# KiCad board PingDevKit-copy.kicad_pcb (continued)
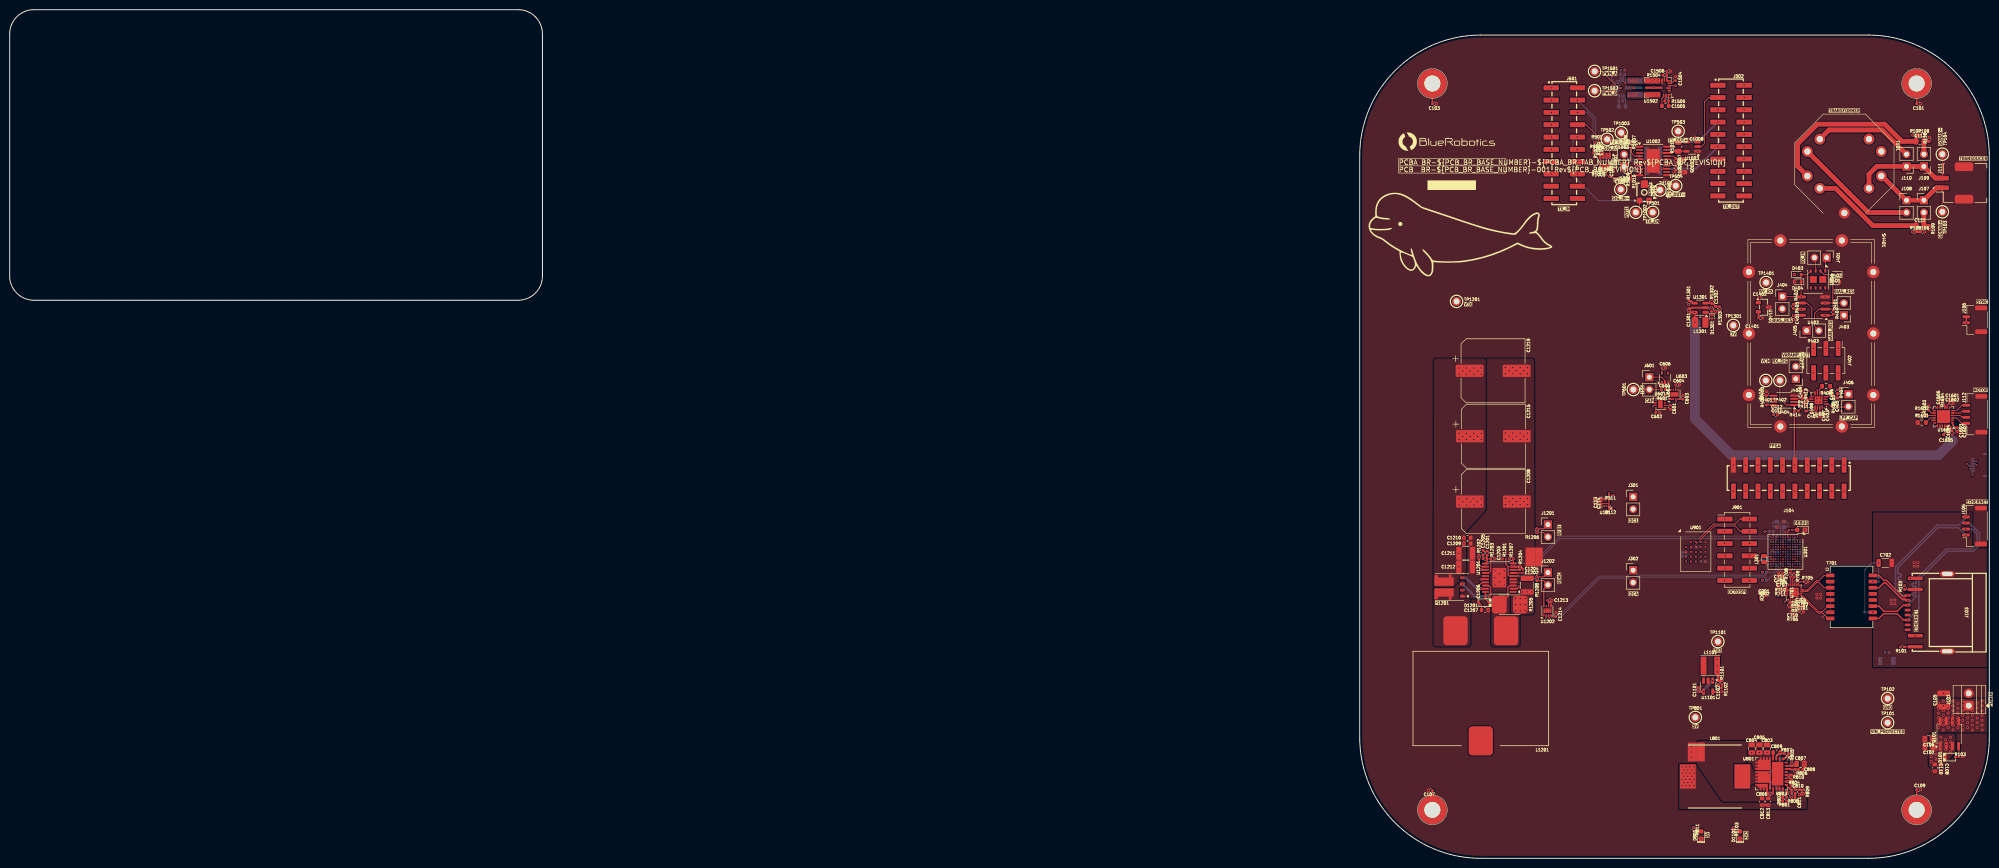
[diagram p0: board, top side]
## Routing (per net, layer and track width the routed paths; a pad name or vN(x,y) marks a point on that pad's centre or on a via; arc(x,y) is an arc through that point) (continued)
/VTHERM: length 86.5
  signal2.Cu w0.1: v3(365.15,63.79) 364.8,63.79 364.4,64.2 364.4,66.45 363.6,67.25
  signal2.Cu w0.2: 363.6,67.25 357.85,73 357.85,76.73 349,85.58 349,129.98 342.28,136.7 v1(342.28,140)
  Bottom w0.2: R104.2 365.13,63.8 C104.1
/VTX_EN: length 61.1
  Top w0.2: U1201.6 310.47,58.3 v2(311.45,58.3)
  Top w0.25: R1201.1 308.91,60.71 309.39,60.23 309.39,58.55 309.66,58.28 U1201.6
  Bottom w0.2: v2(311.45,58.3) 312.45,58.3 320.15,66 363.15,66 363.36,65.79 v3(363.65,65.79)
/VTX_MODE: length 63.8
  Top w0.2: U1201.13 v2(303.75,59.58)
  Bottom w0.2: v3(363.65,66.29) TP318.1 363.45,66.5 320.08,66.5 314.58,61 305.15,61 303.75,59.6 v2(303.75,59.58)
CHASSISGND:
  vias: v2(388.49,53.32) v2(388.49,52.57) v2(389.24,53.32) v2(389.24,52.57) v2(393.24,61.07) v2(393.24,60.32) v2(393.99,61.07) v2(393.99,60.32)
RX_5V: length 6.3
  Top w0.2: v1(364.22,91.6) U404.8 R409.1 ; v2(368.28,112.07) 369.85,112.07 U402.8
  Top w0.3: C1402.1 361.08,114.78 U1401.1
  vias: v1(361.05,115.87) v2(368.48,120.54) v2(377.78,120.54)
VTX: length 27
  Top w0.2: J1201.1 316.75,68.03 v2(315.34,68.03) R1206.1
  PWR.Cu w1: 318.29,147.16 v2(318.29,146.4) v2(318.29,143.86) ; 356.75,145 356.75,152.5
  signal1.Cu w0.5: v2(303.84,72.97) 308.78,68.03 v2(315.34,68.03)
  signal3.Cu w0.2: 318.29,143.86 v2(318.29,143.86)
  vias: v1(334.35,157.99) v1(334.35,157.39) v1(334.75,157.69) v1(335.15,157.99) v1(335.15,157.39) v1(335.55,157.69) v1(335.95,157.99) v1(335.95,157.39) v1(338.85,157.99) v1(339.25,157.69) v1(339.65,157.99) v1(339.65,157.39) v1(340.05,157.69) v1(340.45,157.39) v2(299.27,101.26) v2(299.27,99.99) v2(299.27,87.76) v2(299.27,86.49) v2(299.27,74.24) v2(299.27,72.97) v2(299.23,62.98) v2(299.23,60.18) v2(300.03,100.63) v2(300.03,87.13) v2(300.03,73.61) v2(300.27,66.19) v2(300.27,64.99) v2(300.79,101.26) v2(300.79,99.99) v2(300.79,87.76) v2(300.79,86.49) v2(300.79,74.24) v2(300.79,72.97) v2(301.55,100.63) v2(301.55,87.13) v2(301.55,73.61) v2(302.31,101.26) v2(302.31,99.99) v2(302.31,87.76) v2(302.31,86.49) v2(302.31,74.24) v2(302.31,72.97) v2(303.08,100.63) v2(303.08,87.13) v2(303.08,73.61) v2(303.84,101.26) v2(303.84,99.99) v2(303.84,87.76) v2(303.84,86.49) v2(303.84,74.24) v2(358.13,144.4) v2(358.13,141.86) v2(392.84,149.36) v2(392.84,129.36)
Net-(C101-Pad1): length 4.2
  Top w0.3: C101.1 H101.1
Net-(C103-Pad1): length 4.2
  Top w0.3: C103.1 H102.1
Net-(C107-Pad1): length 4
  Top w0.3: C107.1 H103.1
Net-(C109-Pad1): length 4.2
  Top w0.3: C109.1 H104.1
Net-(C308-Pad1): length 9.2
  Top w0.2: L301.1 362.4,61.29 v3(363.65,61.29)
  signal2.Cu w0.1: v3(363.65,61.29) 363.9,61.55 364.95,61.55 366.2,62.8 367.25,62.8 368.25,63.8 369.1,63.8 369.65,64.35 v3(369.65,64.79)
Net-(C702-Pad1): length 15.3
  Bottom w0.2: R704.1 383.05,59.55 384.5,61 v2(385.9,61) 385.85,60.95 R703.1
Net-(C708-Pad1): length 7.5
  Bottom w0.2: C708.1 375.87,50.78 v1(375.89,50.8) 375.89,57.14 v1(375.9,57.15)
Net-(C810-Pad1): length 0.9
  Top w0.35: R808.1 368.65,13.32 C810.1
Net-(C1205-Pad1): length 0.8
  Top w0.25: C1205.1 R1203.2
Net-(D101-A): length 3
  Top w0.2: Q101.2 402.45,23.13 402.45,20.9 D101.2
Net-(D301-A): length 1.1
  Top w0.2: R303.2 D301.2
Net-(D801-A): length 1.5
  Top w0.3: R811.2 D801.2
Net-(D1101-A): length 1.4
  Top w0.3: R1103.2 D1101.2
Net-(D1201-K): length 2.6
  Top w0.25: D1201.1 304.69,53.54 C1206.2 304.69,54.99 U1201.20
Net-(J103-Pad10): length 2.2
  Top w0.2: J103.10 391.27,55.52 R102.1
Net-(J103-Pad12): length 2.2
  Top w0.2: J103.12 391.26,43.69
Net-(J107-Pin_2): length 3.8
  Top w0.55: R109.1 C111.2
  Top w1: J107.2 C111.2
Net-(J109-Pin_2): length 3.8
  Top w0.55: C112.2 R110.1
  Top w1: J109.2 C112.2
Net-(J405-Pin_1): length 9.5
  Top w0.2: R405.1 368.52,114.67 U402.6 371.05,114.67 372.1,113.62 R403.2 372.1,110.04 J405.1
Net-(J405-Pin_2): length 8.2
  Top w0.2: R404.1 376.32,113.4 U402.2 373.55,113.4 372.67,112.52 R403.1 372.67,109.86 J405.2
Net-(J406-Pin_1): length 4.1
  Top w0.2: 377.35,95.92 377.35,95.12 377.4,95.07 376.55,95.07 C406.1 ; R407.2 379.52,95.97 J406.1
Net-(J406-Pin_2): length 4.2
  Top w0.2: R406.2 379.51,93.17 J406.2 ; 377.35,93.22 377.35,94.06 377.4,94.11 376.59,94.11 C405.1
Net-(J407-Pin_1): length 7.8
  Top w0.2: U403.11 371.15,94.32 v1(371,94.17) 371,93.42 C408.1
  signal2.Cu w0.2: J407.1 368.8,96.37 v1(371,94.17)
Net-(J407-Pin_2): length 9.4
  Top w0.2: U403.10 371.15,94.82 v1(371,94.97) 371,95.67 C409.1
  signal2.Cu w0.2: J407.2 371,99.34 v1(371,94.97)
Net-(J601-Pin_1): length 6.6
  Top w0.2: J601.1 341.05,99.36 341.8,98.61 U603.2 341.85,98.24 C605.2 341.9,96.74 U602.8
Net-(J1001-Pin_1): length 6.5
  Bottom w0.2: J1001.1 334.43,143.9 336.33,143.9 R1011.2 v1(336.51,142.39) 338,142.39 R1014.1
Net-(J1001-Pin_2): length 6.3
  Bottom w0.2: J1001.2 334.37,144.35 336.35,144.35 R1011.1 v1(336.51,145.64) 337.96,145.64 R1013.2
Net-(J1202-Pin_2): length 7.4
  Top w0.2: R1208.2 316.75,57.33 J1202.2
  Top w0.25: J1202.2 316.76,55.6 U1202.8
Net-(R703-Pad2): length 1.1
  Bottom w0.2: v2(384.72,57.15) R703.2
Net-(R704-Pad2): length 0.8
  Bottom w0.2: v2(384.7,50.8) R704.2
Net-(R1012-Pad1): length 2.8
  Top w0.2: R1012.1 336.51,134.16 TP1002.1
Net-(R1012-W): length 9.9
  Top w0.2: U1002.5 337.31,144.34 337.71,143.94 337.71,139.38 R1012.2 337.83,138.89 339.86,138.89 TP1001.1
Net-(U301-BOOT0): length 1.1
  Bottom w0.2: R302.1 368.12,64.29 C306.2 v3(369.15,64.29)
Net-(U301-VLXSMPS): length 1.5
  Top w0.2: v3(363.65,62.29) 362.4,62.29 L301.2
Net-(U403-FBKM): length 2.1
  Top w0.2: C409.2 371.29,96.73 372.06,95.96 U403.9
Net-(U403-FBKP): length 2.2
  Top w0.2: C408.2 371.29,92.36 372.06,93.14 U403.12
Net-(U403-INMR): length 1.8
  Top w0.2: U403.4 375.5,95.32 376.1,95.92 C406.2
Net-(U403-INPR): length 1.8
  Top w0.2: U403.1 375.5,93.82 376.1,93.22 C405.2
Net-(U403-OFSN): length 1.2
  Top w0.2: U403.14 373.25,92.65 373,92.4 373,92.02
Net-(U404A-+): length 2.6
  Top w0.2: U404.3 370.12,94.9 R412.2 370.2,95.57 R413.2
Net-(U404A--): length 4
  Top w0.2: 368.45,94.22 368.47,94.25 370.12,94.25 R411.2 370.2,93.28 R414.1
Net-(U404B-+): length 3.3
  Top w0.2: R409.2 R410.1 ; R410.1 U404.5 ; R410.1 C410.1
Net-(U601-CAP): length 1
  Top w0.2: C602.2 U601.4
Net-(U601-OUT): length 1.3
  Top w0.2: U601.8 341.79,95.73 R601.1
Net-(U602-CAP): length 1
  Top w0.2: C603.2 344.55,94.79 U602.4
Net-(U701-RBIAS): length 1.8
  Top w0.2: R705.1 369.62,57.11 369.25,56.74 U701.14
Net-(U801-BST): length 1.3
  Top w0.35: U801.4 364.12,21.82 C809.1
Net-(U801-EN): length 2.6
  Top w0.35: R802.1 366.07,14.43 U801.24
Net-(U801-FB): length 5.4
  Top w0.25: C811.2 369.52,14.18 C810.2 368.71,15.1 367.92,15.89 R810.1 367.76,16.51 U801.27
  Top w0.35: R809.2 C811.2
Net-(U801-FREQ): length 2.4
  Top w0.25: U801.25 366.84,15.04 367.75,14.13 R804.1 367.94,14.12 R803.2
Net-(U801-ILIM): length 1.8
  Top w0.35: R807.2 367.25,21.37 366.41,20.54 U801.1
Net-(U801-PVDD): length 8.7
  Top w0.35: U801.21 364.12,13.55 v2(363.88,13.31)
  signal1.Cu w0.35: v2(363.88,13.31) 364.03,13.31 365.61,14.89 367.54,14.89 368.71,16.06 v2(368.71,17.54)
Net-(U801-SVIN): length 2.3
  Top w0.35: U801.31 366.85,19.11 R805.1 368.57,19.11 C807.1
Net-(U801-VDD): length 2.7
  Top w0.35: U801.30 367.58,18.46 367.71,18.34 R806.2 368.71,18.34 C808.1
Net-(U1001A-+): length 3.2
  Top w0.2: U1001.3 329.05,145.94 328.69,146.3 326.92,146.3 R1002.1
Net-(U1001B-+): length 1.7
  Top w0.2: R1004.2 R1005.1 328.4,141.75 U1001.5
Net-(U1001B--): length 2.3
  Top w0.2: v1(329.05,142.8) 329.05,141.73 R1006.1
  Bottom w0.2: v1(329.05,142.8) 329.05,143.89 R1003.2
Net-(U1002A-+): length 5.2
  Top w0.2: U1002.4 335.52,144.99 334.85,145.66 334.85,147.64 C1003.1
Net-(U1002B-+): length 5
  Top w0.2: C1004.1 R1010.1 334.85,142.07 335.83,143.04 U1002.7
Net-(U1003-RS+): length 5.7
  Top w0.2: R1015.1 U1003.5
  Top w0.4: 344.49,146.04 343.61,146.04 343.21,145.64 342.15,145.64 U1002.18 v2(341.25,145.64)
  Bottom w0.4: v2(341.25,145.64) 340.75,145.64 R1013.1
Net-(U1101-FB): length 2.9
  Top w0.3: U1101.5 352.45,34.4 353.25,35.2 R1102.1 R1101.2
Net-(U1201-COMP): length 1.9
  Top w0.25: C1201.1 305.03,62.56 R1203.1 305.03,61.18 U1201.11
Net-(U1201-RES): length 3.8
  Top w0.25: U1201.14 305.42,58.93 305.8,59.31 305.8,61.82 C1203.2
Net-(U1201-SLOPE): length 2.7
  Top w0.25: R1202.2 303.37,60.75 303.88,60.23 U1201.12 304.72,60.24
Net-(U1201-SS): length 2
  Top w0.25: U1201.7 312.45,58.93 C1204.2
Net-(U1201-SYNCIN/RT): length 1.4
  Top w0.25: R1204.1 311.82,59.58 U1201.8
Net-(U1202-CAP): length 1.1
  Top w0.25: U1202.4 318.47,49.96 C1214.1
Net-(U1301-EN): length 1.4
  Top w0.3: U1301.4 347.65,114.65 347.15,115.15 R1301.2
Net-(U1301-FB): length 3.3
  Top w0.3: 353.1,113.85 352.99,113.96 C1302.1 352.24,113.96 351.65,114.55 R1302.1 351.3,114.65 U1301.3
Net-(U1501-RBOOT): length 1.3
  Bottom w0.2: R1503.2 333.05,156.74 332.8,156.99 U1501.12
Net-(U1501-RDRV): length 1.3
  Bottom w0.2: U1501.6 333.15,161.44 333.45,161.74 R1502.2
Net-(U1501-VBOOT): length 2.3
  Bottom w0.2: C1502.1 332.3,155.29 U1501.13
Net-(U1501-VDD): length 1.6
  Bottom w0.2: C1503.1 330.9,160.72 331.58,160.04 U1501.4
Net-(U1501-VPHASE): length 2.4
  Bottom w0.2: U1501.11 333.3,157.09 333.65,156.74 C1502.2
Net-(U1502-RBOOT): length 1.2
  Top w0.2: U1502.12 342.01,157.1 341.75,156.84 341.75,156.44
Net-(U1502-RDRV): length 1.2
  Top w0.2: U1502.6 341.66,161.34 341.35,161.64 R1504.1
Net-(U1502-VBOOT): length 2.2
  Top w0.2: C1505.2 342.51,155.38 U1502.13
Net-(U1502-VDD): length 1.6
  Top w0.2: C1504.1 343.73,160.62 343.15,160.04 U1502.4
Net-(U1502-VPHASE): length 2.4
  Top w0.2: C1505.1 341.15,156.94 341.51,157.3 U1502.11
Net-(U1601-CPH): length 1.9
  Top w0.2: U1601.23 400.08,89.28 400.08,87.7 C1605.1
Net-(U1601-CPL): length 1.9
  Top w0.2: U1601.22 399.55,87.73 C1605.2
Net-(U1601-DECAY0): length 2.2
  Top w0.2: U1601.16 396.6,90.95 R1601.2
Net-(U1601-DECAY1): length 1.8
  Top w0.2: U1601.15 395.65,91.45 R1602.2
Net-(U1601-TOFF): length 1.5
  Top w0.2: R1603.1 396.83,91.95 U1601.14
Net-(U1601-VCP): length 1.3
  Top w0.2: C1604.2 401.08,88.62 400.55,89.15 U1601.24

## Copper pours and planes (outline as drawn; the poured copper is in the pictures)
3V3 on PWR.Cu: 398.75,87 393.25,87 393.25,96 398.75,96
3V3 on PWR.Cu: 367.25,38 375.85,46.6 375.85,69.6 366.25,84 353.25,84 349.25,89.78 349.25,103.5 334.25,103.5 334.25,95.67 326.25,77 326.25,38
5V on Top: 353.6,11.7 348.3,19.5 344.69,19.5 344.69,10.15 371.05,10.15 371.05,13.75 365.65,13.78 365.59,11.73
5V on Top: 348.65,109.5 348.65,113.15 346.4,113.15 346.4,112.4 347.3,111.6 347.3,109.5
5V on Top: 309.74,50.36 314.77,50.36 314.77,57.22 311.65,57.22 311.27,57.98 309.49,57.98 309.49,56.58 311.27,56.58 311.27,54.68 309.74,54.68
5V on Bottom: 399.25,96 399.25,85.25 403.75,85.25 403.75,96
5V on PWR.Cu: 341.75,163 341.75,158 339.71,156.35 335.29,156.35 333.25,158 333.25,163 325.25,163 325.25,152 351.25,152 351.25,163
5V on PWR.Cu: 352.75,37.5 352.75,14 313.25,14 306.75,22 306.75,50.93 312.75,58.53 312.75,131 349.25,131 349.25,104 334.25,104 333.75,103.5 333.8,96.05 325.74,76.99 325.75,41.18 325.75,37.5
/Power/3V3 Buck/PGND on Top: 348.15,34.8 349.55,34.8 349.55,35.3 353.05,35.3 353.05,36.2 351.25,36.2 351.25,37.5 350.15,37.5 350.15,35.9 348.15,35.9
/Power/5V Buck/PGND on Top: 360.95,15.4 363.85,15.4 363.85,19.95 365.23,19.95 365.23,20.91 365.61,20.91 365.61,19.95 366.25,19.95 366.25,17.99 367.23,17.99 367.23,17.63 366.25,17.63 366.25,15.05 365.61,15.05 365.61,14.08 364.59,14.08 364.59,15.05 363,15.05 363,14.65 360.95,14.65
/Power/5V Buck/PGND on Top: 348.3,19.5 353.6,11.7 365.9,11.7 365.9,15.05 355.9,15.05 355.9,19.65 358.7,19.65 358.7,22.65 363.85,22.65 363.85,24.25 348.3,24.25
/Power/7V on Top: 351,113.25 351,111.85 352,111.85 353.5,112.75 353.5,113.25
/Power/7V on PWR.Cu: 351,113.55 351,111.85 352.4,111.85 353.56,110.53 353.53,108.55 362.3,108.55 362.3,113.55
/Power/VTX Boost/PGND on Top: 305.55,53.66 305.55,61.53 306.69,62.68 310.01,62.68 311.52,60.91 311.52,57.09 314.87,57.09 314.77,103.21 304.79,103.21 304.79,72.08 300.75,67.66 300.64,54.92 299.33,54.93 299.33,53.66
/Power/VTX Boost/VIN_SENSED on Top: 309.74,54.68 309.74,50.36 311.77,50.36 311.77,43.75 305.93,43.75 305.93,54.68
/Stepper Driver/PGND on Top: 400.65,93.5 400.22,93.5 400.22,92.5 398.32,92.5 398.32,90.1 401.32,90.1 401.32,90.8 400.65,90.8
/TX/5V_AB on PWR.Cu: 349.5,151.75 349.5,147 339.75,147 332.75,140 323,140 323,142 327.5,147.75 335.5,147.75 338.75,151.75
/TX/Digital Drive/PGND on Top, Bottom: 333.9,159.84 333.9,161.34 340.9,161.34 340.9,159.84
GND on Top: 405.45,72.9 405.45,64.2 409.45,64.2 409.44,72.9
GND on Top, Bottom, signal1.Cu, signal2.Cu, signal3.Cu, signal4.Cu, GND.Cu: 273.75,175 413.75,175 413.75,-5 273.75,-5
VIN on Top, Bottom, PWR.Cu, signal1.Cu, signal2.Cu, signal3.Cu: 409.75,33 397.25,33 397.25,26 409.75,26
VIN_PROTECTED on Top: 363.85,22.65 358.7,22.65 358.7,19.65 359.65,19.65 360.25,18.05 363.85,18.05
VIN_PROTECTED on Top: 396.25,25.75 401.75,25.75 401.75,22 399.25,18.75 396.25,18.75
VIN_PROTECTED on PWR.Cu: 401.75,25.75 401.75,22 396.5,15 370.75,15 367.89,13 358.25,13 358.25,30 393.25,30 397.25,25.75
/Power/3V3 Buck/SW on Top: 349.45,36 349.45,37.2 349.15,37.9 349.15,41.7 350.35,41.7 350.35,37.9 350.05,37.2 350.05,36
/Power/5V Buck/SW on Top: 355.9,14.15 355.9,19.65 359.65,19.65 360.25,18.05 363.65,18.05 363.65,15.5 360.25,15.5 359.65,14.15
/Power/VTX Boost/SOURCE on Top: 300.6,57.34 299.34,57.34 297.93,56.01 293.99,56.01 293.99,43.75 301.61,43.75 301.61,53.66 299.33,53.66 299.33,55.95 300.6,55.95
/RX/VCM on signal3.Cu: 359.15,127.8 359.15,89.3 384.65,89.3 384.65,127.8
/TX+ on signal1.Cu: 356.25,155.5 360.25,155.5 360.25,151 356.25,151
/TX- on signal3.Cu: 356.25,150.37 360.25,150.37 360.25,145.87 356.25,145.87
/TX/SIG_OUT+_AB on Bottom: 350.75,155.5 354.75,155.5 354.75,151 350.75,151
/TX/VTX_AB on PWR.Cu: 338.5,151.75 335.5,148 327.5,148 322.75,142 322.75,139.75 333,139.75 340,146.75 354.25,146.75 354.25,134.75 321,134.75 321,146.5 326,151.75
CHASSISGND on Top, Bottom, PWR.Cu, signal3.Cu: 384.74,39.48 409.44,39.48 409.44,71.43 384.74,71.43
RX_5V on PWR.Cu: 359.15,127.8 359.15,89.3 384.65,89.3 384.65,127.8
VTX on Top: 304.79,103.21 294.04,103.21 293.99,55.95 297.92,55.95 300.72,58.5 300.72,67.47 304.79,71.91
VTX on Top, Bottom: 333.9,156.84 333.9,158.34 340.9,158.34 340.9,156.84
VTX on PWR.Cu: 356.25,145.5 360.25,145.5 360.25,141 356.25,141
VTX on PWR.Cu: 273.76,58.51 273.76,175.01 413.76,175.01 413.76,128.27 383.26,128.27 383.26,141.51 370.26,152.01 324.26,152.01 324.25,152 312.26,140.26 312.26,58.51
Net-(D1301-A) on Top: 349.5,109.55 350.75,109.55 351.8,111.3 351.8,111.75 350.9,113.15 349.5,113.15

Small or netless copper shapes (teardrops, artwork), in the pictures only: 1 on Top

## Text on the board
User.Drawings: Stackup: JLC081611-7628
